# Altium PCB PCB.PcbDoc (continued)
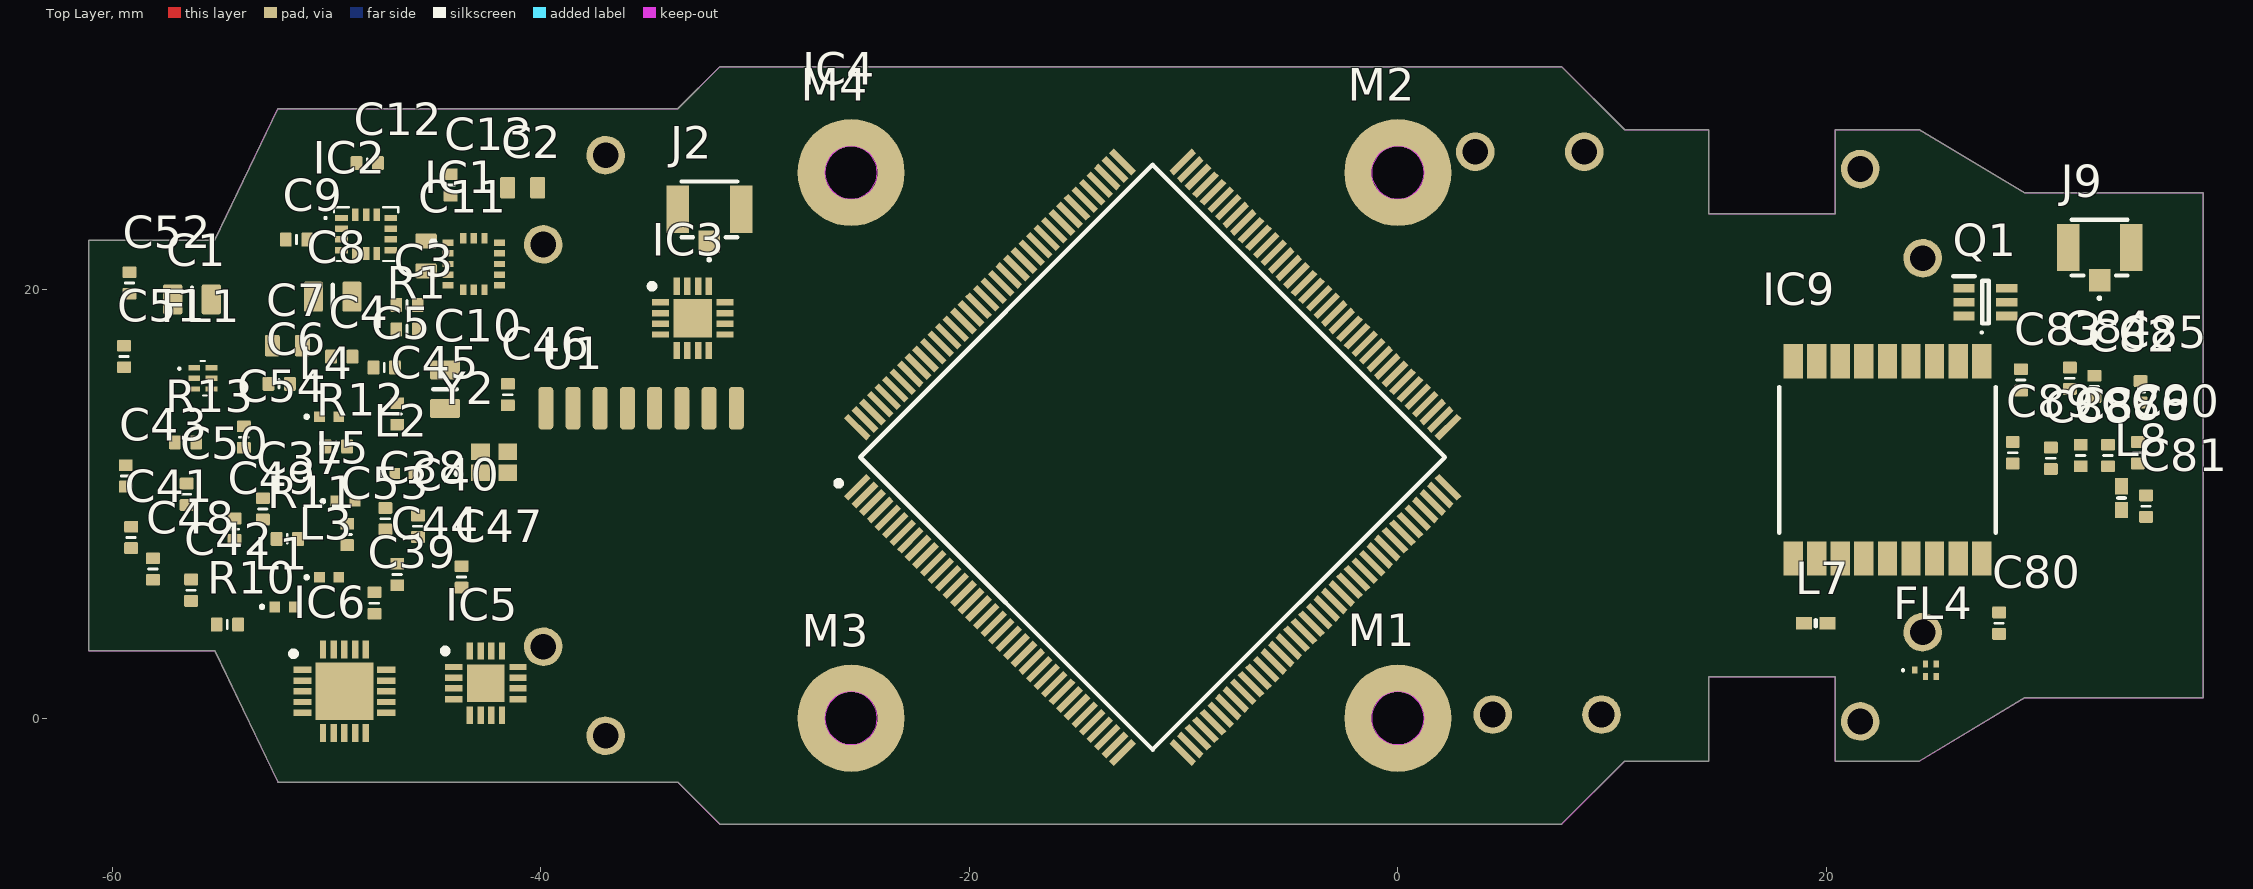
[diagram p0: Top Layer view]
## Footprints (in the part's own frame and the unit in brackets; to place one, negate y for a bottom-side part, rotate by r counter-clockwise, add the part's x,y. Pads: shape width x height; smd on the part's side, far side on the other; paste and mask are expansions set on the pad) (continued)
  rect 0.4x0.8 smd: 51(13.25,-1.35) 52(-13.25,-1.35)
  silkscreen extent -13.5,-1.9 13.5,2.5, body extent -13.5,-1.9 13.5,1.9, height 1
FTSH-105-XX-YYY-DV-K [mm]
  rect 0.74x2.79 smd: 1(-2.54,-2.035) 2(-2.54,2.035) 3(-1.27,-2.035) 4(-1.27,2.035) 5(0,-2.035) 6(0,2.035) 7(1.27,-2.035) 8(1.27,2.035) 9(2.54,-2.035) 10(2.54,2.035)
  silkscreen extent -3.18,-3.83 3.18,1.72, body extent -3.18,-2.92 3.18,2.92, height 6.12
IAM20680HP [mm]
  rect 0.5x0.3 smd: 1(-1.2,1) 2(-1.2,0.5) 3(-1.2,0) 4(-1.2,-0.5) 5(-1.2,-1) 9(1.2,-1) 10(1.2,-0.5) 11(1.2,0) 12(1.2,0.5) 13(1.2,1)
  rect 0.3x0.5 smd: 6(-0.5,-1.2) 7(0,-1.2) 8(0.5,-1.2) 14(0.5,1.2) 15(0,1.2) 16(-0.5,1.2)
  silkscreen extent -1.99,0.9 -1.79,1.1, body extent -1.5,-1.5 1.5,1.5, height 0.75
IIM42352 [mm]
  rect 0.6x0.3 smd: 1(-1.15,0.75) 2(-1.15,0.25) 3(-1.15,-0.25) 4(-1.15,-0.75) 8(1.15,-0.75) 9(1.15,-0.25) 10(1.15,0.25) 11(1.15,0.75)
  rect 0.3x0.6 smd: 5(-0.5,-0.9) 6(0,-0.9) 7(0.5,-0.9) 12(0.5,0.9) 13(0,0.9) 14(-0.5,0.9)
  silkscreen extent -1.95,-1.25 1.5,1.25, body extent -1.5,-1.25 1.5,1.25, height 0.9
INDC1005X55N [mm]
  rect 0.75x0.6 smd: 1(-0.55,0) 2(0.55,0)
  silkscreen extent 0,-0.15 0,0.15, body extent -0.5,-0.25 0.5,0.25, height 0.55
MLG1005 [mm]
  rect 0.5x0.5 smd: 1(-0.45,0) 2(0.45,0)
  silkscreen extent -1.1,-0.05 -1,0.05, body extent -0.5,-0.25 0.5,0.25, height 0.5
MOUNT_M2#1 [mm]
  round 5 hole 2.45: 1(0,0)
MOUNT_M2#2 [mm]
  round 5 hole 2.45: 1(-107.801,26.112)
MOUNT_M2#3 [mm]
  round 5 hole 2.45: 1(-69.326,26.112)
MOUNT_M2#4 [mm]
  round 5 hole 2.45: 1(-81.893,0.648)
NFZ15SG152SN10B [mm]
  rrect20% 0.55x0.65 smd: 1(-0.498,-0.005) 2(0.503,-0.005)
  silkscreen extent 0,-0.2 0,0.2, body extent -0.5,-0.25 0.5,0.25, height 0.5
NR24L01_MINI [mm]
  rrect50% 0.7x2 smd: 1(-282.773,61.695) 2(-281.503,61.695) 3(-280.233,61.695) 4(-278.963,61.695) 5(-277.693,61.695) 6(-276.423,61.695) 7(-275.153,61.695) 8(-273.883,61.695)
QFN50P300X300X60-17N-D [mm]
  rect 0.8x0.3 smd: 1(-1.5,0.75) 2(-1.5,0.25) 3(-1.5,-0.25) 4(-1.5,-0.75) 9(1.5,-0.75) 10(1.5,-0.25) 11(1.5,0.25) 12(1.5,0.75)
  rect 0.3x0.8 smd: 5(-0.75,-1.5) 6(-0.25,-1.5) 7(0.25,-1.5) 8(0.75,-1.5) 13(0.75,1.5) 14(0.25,1.5) 15(-0.25,1.5) 16(-0.75,1.5)
  rect 1.75x1.75 smd: 17(0,0)
  silkscreen extent -2.02,1.38 -1.77,1.62, body extent -1.55,-1.55 1.55,1.55, height 0.6
QFN50P300X300X100-17N-D [mm]
  rect 0.8x0.3 smd: 1(-1.5,0.75) 2(-1.5,0.25) 3(-1.5,-0.25) 4(-1.5,-0.75) 9(1.5,-0.75) 10(1.5,-0.25) 11(1.5,0.25) 12(1.5,0.75)
  rect 0.3x0.8 smd: 5(-0.75,-1.5) 6(-0.25,-1.5) 7(0.25,-1.5) 8(0.75,-1.5) 13(0.75,1.5) 14(0.25,1.5) 15(-0.25,1.5) 16(-0.75,1.5)
  rect 1.8x1.8 smd: 17(0,0)
  silkscreen extent -2.02,1.38 -1.77,1.62, body extent -1.55,-1.55 1.55,1.55, height 1
QFN50P400X400X95-21N-D [mm]
  rect 0.85x0.3 smd: 1(-1.95,1) 2(-1.95,0.5) 3(-1.95,0) 4(-1.95,-0.5) 5(-1.95,-1) 11(1.95,-1) 12(1.95,-0.5) 13(1.95,0) 14(1.95,0.5) 15(1.95,1)
  rect 0.3x0.85 smd: 6(-1,-1.95) 7(-0.5,-1.95) 8(0,-1.95) 9(0.5,-1.95) 10(1,-1.95) 16(1,1.95) 17(0.5,1.95) 18(0,1.95) 19(-0.5,1.95) 20(-1,1.95)
  rect 2.7x2.7 smd: 21(0,0)
  silkscreen extent -2.5,1.63 -2.25,1.87, body extent -2.05,-2.05 2.05,2.05, height 0.95
QFP50P2200X2200X160-144N [mm]
  rect 1.475x0.3 smd: 1(-10.738,8.75) 2(-10.738,8.25) 3(-10.738,7.75) 4(-10.738,7.25) 5(-10.738,6.75) 6(-10.738,6.25) 7(-10.738,5.75) 8(-10.738,5.25) 9(-10.738,4.75) 10(-10.738,4.25) 11(-10.738,3.75) 12(-10.738,3.25) 13(-10.738,2.75) 14(-10.738,2.25) 15(-10.738,1.75) 16(-10.738,1.25) 17(-10.738,0.75) 18(-10.738,0.25) 19(-10.738,-0.25) 20(-10.738,-0.75) 21(-10.738,-1.25) 22(-10.738,-1.75) 23(-10.738,-2.25) 24(-10.738,-2.75) 25(-10.738,-3.25) 26(-10.738,-3.75) 27(-10.738,-4.25) 28(-10.738,-4.75) 29(-10.738,-5.25) 30(-10.738,-5.75) 31(-10.738,-6.25) 32(-10.738,-6.75) 33(-10.738,-7.25) 34(-10.738,-7.75) 35(-10.738,-8.25) 36(-10.738,-8.75) 73(10.738,-8.75) 74(10.738,-8.25) 75(10.738,-7.75) 76(10.738,-7.25) 77(10.738,-6.75) 78(10.738,-6.25) 79(10.738,-5.75) 80(10.738,-5.25) 81(10.738,-4.75) 82(10.738,-4.25) 83(10.738,-3.75) 84(10.738,-3.25) 85(10.738,-2.75) 86(10.738,-2.25) 87(10.738,-1.75) 88(10.738,-1.25) 89(10.738,-0.75) 90(10.738,-0.25) 91(10.738,0.25) 92(10.738,0.75) 93(10.738,1.25) 94(10.738,1.75) 95(10.738,2.25) 96(10.738,2.75) 97(10.738,3.25) 98(10.738,3.75) 99(10.738,4.25) 100(10.738,4.75) 101(10.738,5.25) 102(10.738,5.75) 103(10.738,6.25) 104(10.738,6.75) 105(10.738,7.25) 106(10.738,7.75) 107(10.738,8.25) 108(10.738,8.75)
  rect 0.3x1.475 smd: 37(-8.75,-10.738) 38(-8.25,-10.738) 39(-7.75,-10.738) 40(-7.25,-10.738) 41(-6.75,-10.738) 42(-6.25,-10.738) 43(-5.75,-10.738) 44(-5.25,-10.738) 45(-4.75,-10.738) 46(-4.25,-10.738) 47(-3.75,-10.738) 48(-3.25,-10.738) 49(-2.75,-10.738) 50(-2.25,-10.738) 51(-1.75,-10.738) 52(-1.25,-10.738) 53(-0.75,-10.738) 54(-0.25,-10.738) 55(0.25,-10.738) 56(0.75,-10.738) 57(1.25,-10.738) 58(1.75,-10.738) 59(2.25,-10.738) 60(2.75,-10.738) 61(3.25,-10.738) 62(3.75,-10.738) 63(4.25,-10.738) 64(4.75,-10.738) 65(5.25,-10.738) 66(5.75,-10.738) 67(6.25,-10.738) 68(6.75,-10.738) 69(7.25,-10.738) 70(7.75,-10.738) 71(8.25,-10.738) 72(8.75,-10.738) 109(8.75,10.738) 110(8.25,10.738) 111(7.75,10.738) 112(7.25,10.738) 113(6.75,10.738) 114(6.25,10.738) 115(5.75,10.738) 116(5.25,10.738) 117(4.75,10.738) 118(4.25,10.738) 119(3.75,10.738) 120(3.25,10.738) 121(2.75,10.738) 122(2.25,10.738) 123(1.75,10.738) 124(1.25,10.738) 125(0.75,10.738) 126(0.25,10.738) 127(-0.25,10.738) 128(-0.75,10.738) 129(-1.25,10.738) 130(-1.75,10.738) 131(-2.25,10.738) 132(-2.75,10.738) 133(-3.25,10.738) 134(-3.75,10.738) 135(-4.25,10.738) 136(-4.75,10.738) 137(-5.25,10.738) 138(-5.75,10.738) 139(-6.25,10.738) 140(-6.75,10.738) 141(-7.25,10.738) 142(-7.75,10.738) 143(-8.25,10.738) 144(-8.75,10.738)
  silkscreen extent -11.35,-9.65 9.65,9.65, body extent -11,-11 11,11, height 1.6
RES0402 [mm]
  rrect20% 0.55x0.65 smd: 1(-0.498,-0.005) 2(0.503,-0.005)
  silkscreen extent 0,-0.2 0,0.2, body extent -0.5,-0.25 0.5,0.25, height 0.4
SODFL1006X45N [mm]
  rect 0.5x0.42 smd: 1(-0.525,0) 2(0.525,0)
  silkscreen extent -0.77,-0.3 0.4,0.3, body extent -0.5,-0.3 0.5,0.3, height 0.4
SOIC127P600X170-9N [mm]
  rect 1.525x0.65 smd: 1(-2.712,1.905) 2(-2.712,0.635) 3(-2.712,-0.635) 4(-2.712,-1.905) 5(2.712,-1.905) 6(2.712,-0.635) 7(2.712,0.635) 8(2.712,1.905)
  rect 2.6x3.1 smd: 9(0,0)
  silkscreen extent -3.47,2.58 -1.95,2.58, body extent -3,-2.45 3,2.45, height 1.7
SON127P800X600X65-8N [mm]
  rect 0.85x0.45 smd: 1(-3.95,1.905) 2(-3.95,0.635) 3(-3.95,-0.635) 4(-3.95,-1.905) 5(3.95,-1.905) 6(3.95,-0.635) 7(3.95,0.635) 8(3.95,1.905)
  silkscreen extent -4.5,-3 3.18,3, body extent -4.05,-3 4.05,3, height 0.65
SOT65P210X110-6N [mm]
  rect 1x0.4 smd: 1(-1,0.65) 2(-1,0) 3(-1,-0.65) 4(1,-0.65) 5(1,0) 6(1,0.65)
  silkscreen extent -1.5,-1 0.15,1.2, body extent -1.05,-1 1.05,1, height 1.1
TESEOLIV3R [mm]
  rect 0.9x1.6 smd: 1(4.4,4.6) 2(3.3,4.6) 3(2.2,4.6) 4(1.1,4.6) 5(0,4.6) 6(-1.1,4.6) 7(-2.2,4.6) 8(-3.3,4.6) 9(-4.4,4.6) 10(-4.4,-4.6) 11(-3.3,-4.6) 12(-2.2,-4.6) 13(-1.1,-4.6) 14(0,-4.6) 15(1.1,-4.6) 16(2.2,-4.6) 17(3.3,-4.6) 18(4.4,-4.6)
  silkscreen extent -5.05,-3.4 5.05,6, body extent -5.05,-4.85 5.05,4.85, height 2.31
TOF_MOUNT [mm]
  rect 0.7x1.2 smd: 1(3.606,-1.3) 2(2.535,-1.3) 3(1.464,-1.3) 4(1.464,0.3) 5(2.535,0.3) 6(3.606,0.3)
  round 1.8 hole 1.2: 7(0,0) 7(5.08,0)

## Part data
C1 C8 C10 C60 C61 C62 C63 C64 C65 C77: Voltage=35V
C2 C3 C4 C5 C6 C7 C9 C11 C12 C13 C14 C15 C16 C17 C18 C19 C20 C21 C22 C23 C24 C25 C26 C27 C28 C29 C30 C31 C32 C33 C34 C35 C36 C79 C82 C83 C84 C85 C86 C87 C88 C89 C90 C91 C92 C93 C94 C95 C96 C97 C98: Voltage=50V
C37 C38 C39 C40 C41 C42 C43: Voltage=6V3
C44 C45 C46 C47 C48 C49 C50 C51 C52: "RF NP0", Voltage=6V3
C53 C54: "NP0", Voltage=6V3
C55 C66 C67 C68 C69 C70 C71 C72 C74 C75: Voltage=25V
C56: "Capacitor Polarised", Voltage=DNI
C57: "Capacitor Polarised", Manufacturer_Name=Vishay, Mouser Part Number=74-TR3D336K025D0200, Datasheet Link=http://www.vishay.com/doc?40080, HEIGHT=3.1mm, Manufacturer_Part_Number=TR3D336K025D0200, Mouser Price/Stock=https://www.mouser.com/Search/Refine.aspx?Keyword=74-TR3D336K025D0200
C58 C59: "Capacitor Polarised", Voltage=6V3
C73 C76 C78: Voltage=DNI
C80: "RF NP0"
C81: "RF NP0", Voltage=50V
D1 D2 D3 D4 D5 D6 D7: "TVS Diode (Uni-directional)", Manufacturer_Name="Diodes Incorporated", Mouser Part Number=621-D1213A-01LP4-7B, Arrow Part Number=D1213A-01LP4-7B, Arrow Price/Stock=https://www.arrow.com/en/products/d1213a-01lp4-7b/diodes-incorporated?region=europe, Datasheet Link=https://www.diodes.com/assets/Datasheets/D1213A-01LP4.pdf, HEIGHT=0.4mm, Manufacturer_Part_Number=D1213A-01LP4-7B, Mouser Price/Stock=https://www.mouser.co.uk/ProductDetail/Diodes-Incorporated/D1213A-01LP4-7B?qs=gfe7vQ8txpVKfG5NOSOvfA%3D%3D
D8 D9 D10 D11 D12: "TVS Diode (Uni-directional)", Manufacturer_Name="Diodes Incorporated", Mouser Part Number=621-DT1240A08LP38107, Arrow Part Number=DT1240A-08LP3810-7, Arrow Price/Stock=null?region=nac, Datasheet Link=https://www.diodes.com//assets/Datasheets/DT1240A-08LP3810.pdf, HEIGHT=0.55mm, Manufacturer_Part_Number=DT1240A-08LP3810-7, Mouser Price/Stock=https://www.mouser.co.uk/ProductDetail/Diodes-Incorporated/DT1240A-08LP3810-7?qs=W0yvOO0ixfFwCalJyqXN4A%3D%3D
D13 D14: "TVS Diode (Uni-directional)", Manufacturer_Name=Toshiba, Mouser Part Number=757-DF2S24FSL3M, Arrow Part Number=DF2S24FS,L3M, Arrow Price/Stock=https://www.arrow.com/en/products/df2s24fsl3m/toshiba?region=nac, Datasheet Link=https://www.mouser.com/datasheet/2/408/DF2S24FS_datasheet_en_20140718-708374.pdf, HEIGHT=0.45mm, Manufacturer_Part_Number=DF2S24FS,L3M, Mouser Price/Stock=https://www.mouser.co.uk/ProductDetail/Toshiba/DF2S24FSL3M?qs=lhkzy8lC%252BSvG2umxl0FuEw%3D%3D
FB1: library part BLM15PE471SH1D, "Ferrite Bead", Manufacturer_Name="Murata Electronics", Mouser Part Number=81-BLM15PE471SH1D, Datasheet Link=https://www.murata.com/en-global/products/productdetail.aspx?cate=luNoiseSupprFilteChipFerriBead&partno=BLM15PE471SH1%23, HEIGHT=0.55mm, Manufacturer_Part_Number=BLM15PE471SH1D, Mouser Price/Stock=https://www.mouser.co.uk/ProductDetail/Murata-Electronics/BLM15PE471SH1D?qs=DRkmTr78QATAY5qAVx1hGA%3D%3D
FL1: "Filter", Manufacturer_Name="JOHANSON TECHNOLOGY", Arrow Part Number=2450LP14A100T, Arrow Price/Stock=https://www.arrow.com/en/products/2450lp14a100t/johanson-dielectrics?region=nac, Datasheet Link=https://componentsearchengine.com/Datasheets/1/2450LP14A100T.pdf, HEIGHT=0.7mm, Manufacturer_Part_Number=2450LP14A100T
FL2 FL3: library part BLM31KN121SH1L, "Filter"
FL4: "Filter", Manufacturer_Name=RF360, Mouser Part Number=N/A, Datasheet Link=https://4donline.ihs.com/images/VipMasterIC/IC/TDKC/TDKC-S-A0001073526/TDKC-S-A0001073105-1.pdf?hkey=52A5661711E402568146F3353EA87419, HEIGHT=0.4mm, Manufacturer_Part_Number=B39162B8313P810, Mouser Price/Stock=https://www.mouser.co.uk/ProductDetail/RF360/B39162B8313P810?qs=%2Fd%252BFzHvH4c20Rngavm5AuA%3D%3D
IC1: "Integrated Circuit", Manufacturer_Name=TDK, Mouser Part Number=410-ICM-20602, Arrow Part Number=ICM-20602, Arrow Price/Stock=https://www.arrow.com/en/products/icm-20602/invensense?utm_currency=USD&region=nac, Datasheet Link=https://3cfeqx1hf82y3xcoull08ihx-wpengine.netdna-ssl.com/wp-content/uploads/2021/03/DS-000135-ICG-20660-TYP-v1.2.pdf, Manufacturer_Part_Number=ICM-20602, Mouser Price/Stock=https://www.mouser.co.uk/ProductDetail/TDK-InvenSense/ICM-20602?qs=u4fy%2FsgLU9NtDChFbqTxBA%3D%3D
IC2: "Integrated Circuit", Manufacturer_Name=TDK, Mouser Part Number=410-ICM-42688-P, Arrow Part Number=ICM-42688-P, Arrow Price/Stock=https://www.arrow.com/en/products/icm-42688-p/invensense?utm_currency=USD&region=nac, Datasheet Link=https://3cfeqx1hf82y3xcoull08ihx-wpengine.netdna-ssl.com/wp-content/uploads/2021/06/DS-000347-ICM-42688-P-v1.5.pdf, Manufacturer_Part_Number=ICM-42688-P, Mouser Price/Stock=https://www.mouser.co.uk/ProductDetail/TDK-InvenSense/ICM-42688-P?qs=OlC7AqGiEDk8QrNAV728zw%3D%3D
IC3: "Integrated Circuit", Manufacturer_Name=Melexis, Mouser Part Number=482-90393ELWABA013SP, Arrow Part Number=MLX90393ELW-ABA-013-SP, Arrow Price/Stock=https://www.arrow.com/en/products/mlx90393elw-aba-013-sp/melexis?utm_currency=USD&region=nac, Datasheet Link=https://www.melexis.com/-/media/files/documents/datasheets/mlx90393-datasheet-melexis.pdf, HEIGHT=1mm, Manufacturer_Part_Number=MLX90393ELW-ABA-013-SP, Mouser Price/Stock=https://www.mouser.co.uk/ProductDetail/Melexis/MLX90393ELW-ABA-013-SP?qs=4pzlT8jjbhe5W8hWOSw65g%3D%3D
IC4: "Integrated Circuit", Manufacturer_Name=STMicroelectronics, Mouser Part Number=511-STM32H723ZGT6, Arrow Part Number=STM32H723ZGT6, Arrow Price/Stock=https://www.arrow.com/en/products/stm32h723zgt6/stmicroelectronics?region=nac, Datasheet Link=https://www.mouser.cn/datasheet/2/389/stm32h723zg-1893346.pdf, HEIGHT=1.6mm, Manufacturer_Part_Number=STM32H723ZGT6, Mouser Price/Stock=https://www.mouser.co.uk/ProductDetail/STMicroelectronics/STM32H723ZGT6?qs=sPbYRqrBIVkPaOxQT7wG%252BA%3D%3D
IC5: "Integrated Circuit", Manufacturer_Name=Skyworks, Arrow Part Number=RFX2401C, Arrow Price/Stock=https://www.arrow.com/en/products/rfx2401c/skyworks-solutions?region=nac, Datasheet Link=https://eu.mouser.com/datasheet/2/472/RFX2401C_204359B-1524606.pdf, HEIGHT=0.6mm, Manufacturer_Part_Number=RFX2401C
IC6: "Integrated Circuit", Manufacturer_Name="Nordic Semiconductor", HEIGHT=0.95mm, Manufacturer_Part_Number=nRF24L01P
IC7: "Integrated Circuit", Manufacturer_Name="Texas Instruments", Arrow Part Number=LMR33640ADDAR, Arrow Price/Stock=https://www.arrow.com/en/products/lmr33640addar/texas-instruments, Datasheet Link=https://www.ti.com/lit/gpn/LMR33640, HEIGHT=1.7mm, Manufacturer_Part_Number=LMR33640ADDAR
IC8: "Integrated Circuit", Arrow Part Number="MT29F2G01ABAGDWB-IT:G TR", Manufacturer_Name=Micron, Mouser Part Number=340-319922-REEL, Arrow Price/Stock=https://www.arrow.com/en/products/mt29f2g01abagdwb-itg-tr/micron-technology?region=nac, Datasheet Link=https://www.arrow.com/en/products/mt29f2g01abagdwb-itgtr/micron-technology, HEIGHT=0.65mm, Manufacturer_Part_Number="MT29F2G01ABAGDWB-IT:G TR", Mouser Price/Stock=https://www.mouser.co.uk/ProductDetail/Micron/MT29F2G01ABAGDWB-ITG-TR?qs=j%252B1pi9TdxUa99FyONPZPSg%3D%3D
IC9: "Integrated Circuit", Manufacturer_Name=STMicroelectronics, Mouser Part Number=511-TESEO-LIV3R, Arrow Part Number=TESEO-LIV3R, Arrow Price/Stock=https://www.arrow.com/en/products/teseo-liv3r/stmicroelectronics?region=nac, Datasheet Link=https://www.st.com/resource/en/datasheet/teseo-liv3r.pdf, HEIGHT=2.3mm, Manufacturer_Part_Number=TESEO-LIV3R, Mouser Price/Stock=https://www.mouser.co.uk/ProductDetail/STMicroelectronics/TESEO-LIV3R?qs=ZSypp649SOXG7EmhCFcBlw%3D%3D
IC10: "Integrated Circuit", Manufacturer_Name=BOSCH, Mouser Part Number=262-BMP390, Arrow Part Number=BMP390, Arrow Price/Stock=https://www.arrow.com/en/products/bmp390/bosch?region=nac, Datasheet Link=https://www.bosch-sensortec.com/media/boschsensortec/downloads/datasheets/bst-bmp390-ds002.pdf, HEIGHT=0.8mm, Manufacturer_Part_Number=BMP390, Mouser Price/Stock=https://www.mouser.co.uk/ProductDetail/Bosch-Sensortec/BMP390?qs=QNEnbhJQKvYQVfvRMgo2YA%3D%3D
J1: "Connector", Manufacturer_Name=SAMTEC, Mouser Part Number=200-FTSH10501LMDVK, Arrow Part Number=FTSH-105-01-LM-DV-K, Arrow Price/Stock=https://www.arrow.com/en/products/ftsh-105-01-lm-dv-k/samtec?utm_currency=USD&region=nac, Datasheet Link=http://suddendocs.samtec.com/prints/ftsh-1xx-xx-xxx-dv-xxx-xxx-mkt.pdf, Manufacturer_Part_Number=FTSH-105-01-LM-DV-K, Mouser Price/Stock=https://www.mouser.co.uk/ProductDetail/Samtec/FTSH-105-01-LM-DV-K?qs=Cqqh%252BS766wkgt1n7b4Yb6g%3D%3D
J2 J9: "Connector", Manufacturer_Name="Linx Technologies", Mouser Part Number=712-CONUFL001-SMD-T, Datasheet Link=https://linxtechnologies.com/wp/product/mhf-rf-connectors/, Manufacturer_Part_Number=CONUFL001-SMD-T, Mouser Price/Stock=https://www.mouser.co.uk/ProductDetail/Linx-Technologies/CONUFL001-SMD-T?qs=EU6FO9ffTwfRdkBeQTdJWQ%3D%3D
J10: "Connector", Manufacturer_Name=Hirose, Manufacturer_Part_Number=FH34SRJ-50S-0.5SH(50), Mouser Part Number=798-FH34SRJ50S05SH50, Datasheet Link=https://www.hirose.com/en/product/document?clcode=CL0580-1266-2-50&productname=FH34SRJ-50S-0.5SH(50)&series=FH34SRJ&documenttype=2DDrawing&lang=en&documentid=0001483059, HEIGHT=1.75mm, Mouser Price/Stock=https://www.mouser.co.uk/ProductDetail/Hirose-Connector/FH34SRJ-50S-0.5SH50?qs=vcbW%252B4%252BSTIrLLD%2F8H%2F%252B%2Fhg%3D%3D, System=Connector
L1 L2 L3 L4 L5: "Inductor", Manufacturer_Name=TDK
  L1 L2: Arrow Part Number=MLG1005S2N4BT000, Arrow Price/Stock=https://www.arrow.com/en/products/mlg1005s2n4bt000/tdk, Datasheet Link=https://product.tdk.com/system/files/dam/doc/product/inductor/inductor/smd/catalog/inductor_commercial_high-frequency_mlg1005s_en.pdf, Manufacturer_Part_Number=MLG1005S2N4BT000
  L3: Arrow Part Number=MLG1005S3N9BT000, Arrow Price/Stock=https://www.arrow.com/en/products/mlg1005s3n9bt000/tdk, Datasheet Link=https://product.tdk.com/system/files/dam/doc/product/inductor/inductor/smd/catalog/inductor_commercial_high-frequency_mlg1005s_en.pdf, Manufacturer_Part_Number=MLG1005S3N9BT000
  L4: Datasheet Link=https://product.tdk.com/system/files/dam/doc/product/inductor/inductor/smd/catalog/inductor_commercial_high-frequency_mlg1005s_en.pdf, Manufacturer_Part_Number=MLG1005S8N2HT000
  L5: Datasheet Link=https://product.tdk.com/system/files/dam/doc/product/inductor/inductor/smd/catalog/inductor_automotive_high-frequency_mlg1005s_en.pdf, Manufacturer_Part_Number=MLG1005S2N7BTD25
L6: "Inductor", Manufacturer_Name=Eaton, Mouser Part Number=704-EXLA1V0606-100-R, Datasheet Link=https://www.eaton.com/content/dam/eaton/products/electronic-components/resources/data-sheet/eaton-exla1v06-automotive-high-current-molded-inductor-data-sheet-elx1221-en.pdf, HEIGHT=6mm, Manufacturer_Part_Number=EXLA1V0606-100-R, Mouser Price/Stock=https://www.mouser.co.uk/ProductDetail/Bussmann-Eaton/EXLA1V0606-100-R?qs=T%252BzbugeAwjhRVU8Dylvhsg%3D%3D
L7 L8: "Inductor"
LED1 LED2 LED3 LED4 LED5 LED6: "LED", Manufacturer_Name=Dialight, Datasheet Link=https://s3-us-west-2.amazonaws.com/catsy.557/Dialight_datasheet_587-1024-147F_Addressable_RGB.pdf, HEIGHT=0.9mm, Manufacturer_Part_Number=587-1024-147F
LED7: "LED (Multiple)", Manufacturer_Name="Wurth Elektronik", Mouser Part Number=710-150141RV73100, Datasheet Link=https://www.we-online.com/components/products/datasheet/150141RV73100.pdf, HEIGHT=2.1mm, Manufacturer_Part_Number=150141RV73100, Mouser Price/Stock=https://www.mouser.co.uk/ProductDetail/Wurth-Elektronik/150141RV73100?qs=LlUlMxKIyB1w9QlMugtMLA%3D%3D
Q1: "Transistor BJT PNP", Manufacturer_Name="Diodes Incorporated", Mouser Part Number=621-DCX123JU-F, Arrow Part Number=DCX123JU-7-F, Arrow Price/Stock=https://www.arrow.com/en/products/dcx123ju-7-f/diodes-incorporated, Datasheet Link=https://www.diodes.com//assets/Datasheets/DCX_XXXX_U.pdf, HEIGHT=1.1mm, Manufacturer_Part_Number=DCX123JU-7-F, Mouser Price/Stock=https://www.mouser.co.uk/ProductDetail/Diodes-Incorporated/DCX123JU-7-F?qs=JodRp68BO%2F64PTlIzh5LEQ%3D%3D
S1 S2: "Switch", Manufacturer_Name="Omron Electronics", Mouser Part Number=653-B3U-3000P, Arrow Part Number=B3U-3000P, Arrow Price/Stock=https://www.arrow.com/en/products/b3u-3000p/omron?region=nac, Datasheet Link=http://omronfs.omron.com/en_US/ecb/products/pdf/en-b3u.pdf, Manufacturer_Part_Number=B3U-3000P, Mouser Price/Stock=https://www.mouser.co.uk/ProductDetail/Omron-Electronics/B3U-3000P?qs=AO7BQMcsEu4un9I7hS23xg%3D%3D
Y1: "Crystal or Oscillator", Manufacturer_Name=ECS, Mouser Part Number=520-320-10-37B-CKYT, Arrow Part Number=ECS-320-10-37B-CKY-TR, Arrow Price/Stock=https://www.arrow.com/en/products/ecs-320-10-37b-cky-tr/ecs-international?region=nac, Datasheet Link=https://ecsxtal.com/store/pdf/ECX-1637B.pdf, HEIGHT=0.5mm, Manufacturer_Part_Number=ECS-320-10-37B-CKY-TR, Mouser Price/Stock=https://www.mouser.co.uk/ProductDetail/ECS/ECS-320-10-37B-CKY-TR?qs=l7cgNqFNU1gltxVt%2FwcX%252Bw%3D%3D
Y2: "Crystal or Oscillator", Manufacturer_Name="Wurth Elektronik", Datasheet Link=https://www.we-online.com/catalog/datasheet/830108340709.pdf, HEIGHT=0.5mm, Manufacturer_Part_Number=830108288709

## Nets (pads, with @x,y where several pads share a name; then routed paths per layer and width w, separated by ;. In a path a pad name is that pad's centre, name@x,y a point inside that pad or via, vN(x,y) a via of type N, cw(c..) or ccw(c..) an arc to the next point about the centre after c; other vN are vias at no path point)
+3V3: C1.2 C2.2 C3.2 C5.2 C6.2 C7.2 C8.2 C9.2 C10.2 C11.2 C12.2 C13.2 C26.2 C27.2 C28.2 C29.2 C30.2 C31.2 C32.2 C33.2 C34.2 C35.2 C36.2 C38.2 C39.2 C40.2 C41.2 C42.2 C43.2 C73.2 C74.2 C75.2 C79.2 C84.2 C85.2 C89.2 C90.2 C91.2 C92.2 C93.2 C94.2 C95.2 C96.2 C97.2 C98.2 D13.1 FB1.1 FL3.2 IC1.1 IC1.16 IC2.5 IC2.8 IC3.8 IC3.15 IC4.6 IC4.17 IC4.30 IC4.39 IC4.52 IC4.62 IC4.72 IC4.84 IC4.108 IC4.121 IC4.131 IC4.144 IC5.16 IC6.7 IC6.15 IC6.18 IC8.8 IC9.14 IC10.1 IC10.6 IC10.10 J1.1 J3.1 J4.1 J5.1 J6.1 J7.1 J8.1 J10.50 L8.2 LED1.2 LED2.2 LED3.2 LED4.2 LED5.2 LED6.2 Q1.4 R1.2 R2.2 R3.2 R6.2 R7.2 R8.1 R9.1 R18.2 R19.2 R20.2 U1.1
BMS_CHRG_OK: D12.1 IC4.93 J10.35
BMS_OTG/VAP: D12.2 IC4.87 J10.36
BMS_PROCHOT: D11.9 IC4.86 J10.34
BUTTON: C16.2 D5.1 IC4.29 R7.1 S2.2
CB_ALERT: D12.4 IC4.92 J10.37
ESC_CLK: D11.5 IC4.74 J10.30
ESC_ENABLE: D11.8 IC4.73 J10.33
ESC_INHA1: D6.1 IC4.10 J10.1
ESC_INHA2: D8.6 IC4.96 J10.7
ESC_INHA3: D9.4 IC4.81 J10.13
ESC_INHA4: D10.1 IC4.34 J10.19
ESC_INHB1: D8.1 IC4.11 J10.3
ESC_INHB2: D8.8 IC4.97 J10.9
ESC_INHB3: D9.6 IC4.82 J10.15
ESC_INHB4: D10.4 IC4.35 J10.21
ESC_INHC1: D8.4 IC4.12 J10.5
ESC_INHC2: D9.1 IC4.98 J10.11
ESC_INHC3: D9.8 IC4.85 J10.17
ESC_INHC4: D10.6 IC4.36 J10.23
ESC_INLA1: D7.1 IC4.56 J10.2
ESC_INLA2: D8.7 IC4.57 J10.8
ESC_INLA3: D9.5 IC4.58 J10.14
ESC_INLA4: D10.2 IC4.59 J10.20
ESC_INLB1: D8.2 IC4.60 J10.4
ESC_INLB2: D8.9 IC4.49 J10.10
ESC_INLB3: D9.7 IC4.50 J10.16
ESC_INLB4: D10.5 IC4.45 J10.22
ESC_INLC1: D8.5 IC4.65 J10.6
ESC_INLC2: D9.2 IC4.66 J10.12
ESC_INLC3: D9.9 IC4.67 J10.18
ESC_INLC4: D10.7 IC4.68 J10.24
ESC_NFAULT: D11.4 IC4.15 J10.29
ESC_NSCS1: D10.8 IC4.77 J10.25
ESC_NSCS2: D10.9 IC4.78 J10.26
ESC_NSCS3: D11.1 IC4.79 J10.27
ESC_NSCS4: D11.2 IC4.80 J10.28
ESC_SDI: D11.7 IC4.76 J10.32
ESC_SDO: D11.6 IC4.75 J10.31
GND: C1.1 C2.1 C3.1 C4.1 C5.1 C6.1 C7.1 C8.1 C9.1 C10.1 C11.1 C12.1 C13.1 C14.1 C15.1 C16.1 C17.1 C18.1 C19.1 C20.1 C21.1 C22.1 C23.1 C24.1 C25.1 C26.1 C27.1 C28.1 C29.1 C30.1 C31.1 C32.1 C33.1 C34.1 C35.1 C36.1 C37.1 C38.1 C39.1 C40.1 C41.1 C42.1 C43.1 C45.1 C46.1 C47.1 C48.1 C49.1 C50.1 C51.1 C52.1 C53.1 C54.1 C56.2 C57.2 C58.2 C59.2 C60.1 C61.1 C62.1 C63.1 C64.1 C65.1 C66.1 C67.1 C68.1 C69.1 C70.1 C71.1 C72.1 C73.1 C74.1 C75.1 C76.2 C77.1 C79.1 C81.1 C82.1 C83.1 C84.1 C85.1 C86.1 C87.1 C88.1 C89.1 C90.1 C91.1 C92.1 C93.1 C94.1 C95.1 C96.1 C97.1 C98.1 D1.2 D2.2 D3.2 D4.2 D5.2 D6.2 D7.2 D8.3 D9.3 D10.3 D11.3 D12.3 D13.2 D14.2 FL1.1 FL1.3 FL1.4 FL1.6 FL4.2 FL4.3 FL4.5 IC1.7 IC1.9 IC1.10 IC1.11 IC1.12 IC1.13 IC1.15 IC2.2 IC2.3 IC2.6 IC2.7 IC2.10 IC2.11 IC3.4 IC3.9 IC3.10 IC3.11 IC3.12 IC3.13 IC3.14 IC3.16 IC3.17 IC4.16 IC4.31 IC4.38 IC4.51 IC4.61 IC4.83 IC4.94 IC4.107 IC4.120 IC4.130 IC5.1 IC5.2 IC5.3 IC5.7 IC5.8 IC5.9 IC5.11 IC5.12 IC5.15 IC5.17 IC6.8 IC6.14 IC6.17 IC6.20 IC7.1 IC7.9 IC8.4 IC9.1 IC9.10 IC9.12 IC10.3 IC10.5 IC10.8 IC10.9 J1.3 J1.5 J1.9 J2.2 J2.3 J3.7 J4.7 J5.7 J6.7 J7.7 J8.7 J9.2 J9.3 J10.48 J10.49 LED1.4 LED2.4 LED3.4 LED4.4 LED5.4 LED6.4 Q1.1 R4.1 R5.1 R10.1 R17.1 R21.1 R22.1 S1.1 S2.1 U1.2 Y2.2 Y2.4
I2C1_SCL: IC4.136 J3.3 J4.3 J5.3 J6.3 J7.3 J8.3
I2C1_SDA: IC4.137 J3.4 J4.4 J5.4 J6.4 J7.4 J8.4
NetC4_2: C4.2 IC1.14
NetC15_2: C15.2 Y1.4
NetC17_2: C17.2 Y1.2
NetC18_2: C18.2 C19.2 FB1.2 IC4.33
NetC20_2: C20.2 C21.2 IC4.95 R8.2
NetC22_2: C22.2 C23.2 IC4.32 R9.2
NetC24_2: C24.2 IC4.71
NetC25_2: C25.2 IC4.106
NetC37_2: C37.2 IC6.19
NetC44_1: C44.1 C45.2 IC5.4
NetC44_2: C44.2 L3.2
NetC46_2: C46.2 C47.2 FL1.2 IC5.10 L1.1
NetC48_2: C48.2 C49.2 FL1.5 L1.2 L2.1
NetC50_2: C50.2 J2.1 L2.2
NetC51_2: C51.2 C52.2 IC6.11 L5.2
NetC53_2: C53.2 IC6.9 R13.1 Y2.1
NetC54_2: C54.2 IC6.10 R13.2 Y2.3
NetC55_1: C55.1 R14.2
NetC55_2: C55.2 IC7.8 L6.1 R15.1
NetC57_1: C57.1 C61.2 C62.2 C63.2 C64.2 C65.2 FL2.2 IC7.2 IC7.3
NetC58_1: C58.1 C59.1 C66.2 C67.2 C68.2 C69.2 C70.2 C71.2 C72.2 C78.2 FL3.1 L6.2 R16.2
NetC76_1: C76.1 R15.2
NetC77_2: C77.2 IC7.6
NetC78_1: C78.1 IC7.5 R16.1 R17.2
NetC80_1: C80.1 J9.1
NetC80_2: C80.2 FL4.1
NetC81_2: C81.2 L7.1 Q1.3
NetC82_2: C82.2 C83.2 IC9.6 IC9.7 IC9.8 L8.1
NetC86_2: C86.2 IC4.101 IC9.2
NetC87_2: C87.2 IC4.102 IC9.3
NetC88_2: C88.2 IC4.99 IC9.4
NetFL4_4: FL4.4 IC9.11 L7.2
NetIC1_5: IC1.5 IC4.125 R1.1
NetIC1_6: IC1.6 IC4.118
NetIC1_8: IC1.8 IC2.9 IC3.7 IC4.119
NetIC2_4: IC2.4 IC4.2
NetIC2_12: IC2.12 IC4.132
NetIC3_1: IC3.1 IC4.22
NetIC3_2: IC3.2 IC4.18
NetIC4_1: IC4.1
NetIC4_5: IC4.5 LED1.3
NetIC4_23: IC4.23 Y1.1
NetIC4_24: IC4.24 Y1.3
NetIC4_26: IC4.26 LED7.2
NetIC4_27: IC4.27 LED7.1
NetIC4_42: IC4.42 IC8.7
NetIC4_43: IC4.43 IC8.3
NetIC4_46: IC4.46 IC8.2
NetIC4_47: IC4.47 IC8.5
NetIC4_48: IC4.48 IC8.6
NetIC4_53: IC4.53 IC10.7
NetIC4_54: IC4.54 IC10.2 R20.1
NetIC4_55: IC4.55 IC10.4 R19.1
NetIC4_64: IC4.64 IC8.1 R18.1
NetIC4_91: IC4.91 IC9.9
NetIC4_100: IC4.100 IC9.5
NetIC4_110: IC4.110 IC6.1 U1.3
NetIC4_111: IC4.111 IC6.3 U1.5
NetIC4_112: IC4.112 IC6.5 U1.7
NetIC4_113: IC4.113 IC6.4 U1.6
NetIC4_114: IC4.114 IC6.2 U1.4
NetIC4_115: IC4.115 IC6.6 U1.8
NetIC4_116: IC4.116 R11.1
NetIC4_117: IC4.117 R12.1
NetIC4_138: IC4.138 R2.1 R4.2
NetIC4_143: IC4.143 R3.1 R5.2
NetIC5_5: IC5.5 R11.2
NetIC5_6: IC5.6 R12.2
NetIC6_12: IC6.12 L4.2 L5.1
NetIC6_13: IC6.13 L3.1 L4.1
NetIC6_16: IC6.16 R10.2
NetIC7_7: IC7.7 R14.1
NetIC9_13: IC9.13 Q1.2
NetIC9_16: IC9.16
NetIC9_17: IC9.17
NetJ3_5: J3.5 J4.6
NetJ4_5: J4.5 J5.6
NetJ5_5: J5.5 J6.6
NetJ6_5: J6.5 J7.6
NetJ7_5: J7.5 J8.6
NetLED1_1: LED1.1 LED2.3
NetLED2_1: LED2.1 LED3.3
NetLED3_1: LED3.1 LED4.3
NetLED4_1: LED4.1 LED5.3
NetLED5_1: LED5.1 LED6.3
NetLED7_3: LED7.3 R22.2
NetLED7_4: LED7.4 R21.2
NetQ1_5: Q1.5 Q1.6
nRST: C14.2 D4.1 IC4.25 J1.10 R6.1 S1.2
SCL: D12.5 IC4.69 J10.38
SDA: D12.6 IC4.70 J10.39
SPI1_MISO: IC1.4 IC4.124
SPI1_MOSI: IC1.3 IC4.123
SPI1_SCK: IC1.2 IC4.126
SPI5_MISO: IC3.6 IC4.20
SPI5_MOSI: IC3.5 IC4.21
SPI5_SCK: IC3.3 IC4.19
SPI6_MISO: IC2.1 IC4.127
SPI6_MOSI: IC2.14 IC4.129
SPI6_SCK: IC2.13 IC4.128
SWCLK: D2.1 IC4.109 J1.4
SWDIO: D3.1 IC4.105 J1.2
SWO: D1.1 IC4.133 J1.6
TOF_EN: IC4.135 J3.6
TOF_INT: IC4.141 J3.2 J4.2 J5.2 J6.2 J7.2 J8.2
UDB_D+: D12.8 IC4.104 J10.41
UDB_D-: D12.9 IC4.103 J10.42
VSYS: C56.1 C60.2 D14.1 FL2.1 J10.46 J10.47
pads on no net: D12.7 IC4.3 IC4.4 IC4.7 IC4.8 IC4.9 IC4.13 IC4.14 IC4.28 IC4.37 IC4.40 IC4.41 IC4.44 IC4.63 IC4.88 IC4.89 IC4.90 IC4.122 IC4.134 IC4.139 IC4.140 IC4.142 IC5.13 IC5.14 IC6.21 IC7.4 IC9.15 IC9.18 J1.7 J1.8 J8.5 J10.40 J10.43 J10.44 J10.45 J10.51 J10.52 LED6.1 M1.1 M2.1 M3.1 M4.1

## Keep-outs
Keep-Out Layer:
  circle w0.001: c0,0 r1.225
  circle w0.001: c-25.521,-0.001 r1.225
  circle w0.001: c-25.521,25.464 r1.225
  circle w0.001: c0,25.464 r1.225
  lines w0.001: -61.102,3.156 -61.102,12.732 -61.102,22.308 -55.21,22.308 -52.264,28.444 -33.606,28.444 -31.642,30.408 7.638,30.408 10.584,27.462 14.512,27.462 14.512,23.534 20.404,23.534 20.404,27.462 24.332,27.462 29.242,24.516 37.589,24.516 37.589,18.624 37.589,6.84 37.589,0.948 33.415,0.948 29.242,0.948 24.332,-1.998 20.404,-1.998 20.404,1.93 14.512,1.93 14.512,-1.998 10.584,-1.998 7.638,-4.944 -31.642,-4.944 -33.606,-2.98 -52.264,-2.98 -55.21,3.156 -61.102,3.156

## Silkscreen, mask and mechanical layers (free items; w line width, h text height)
Drill Drawing:
  drawing of 184 lines, arcs and shapes, not listed